# Altium PCB NG2092.PcbDoc (part 4 of 5) (continued)
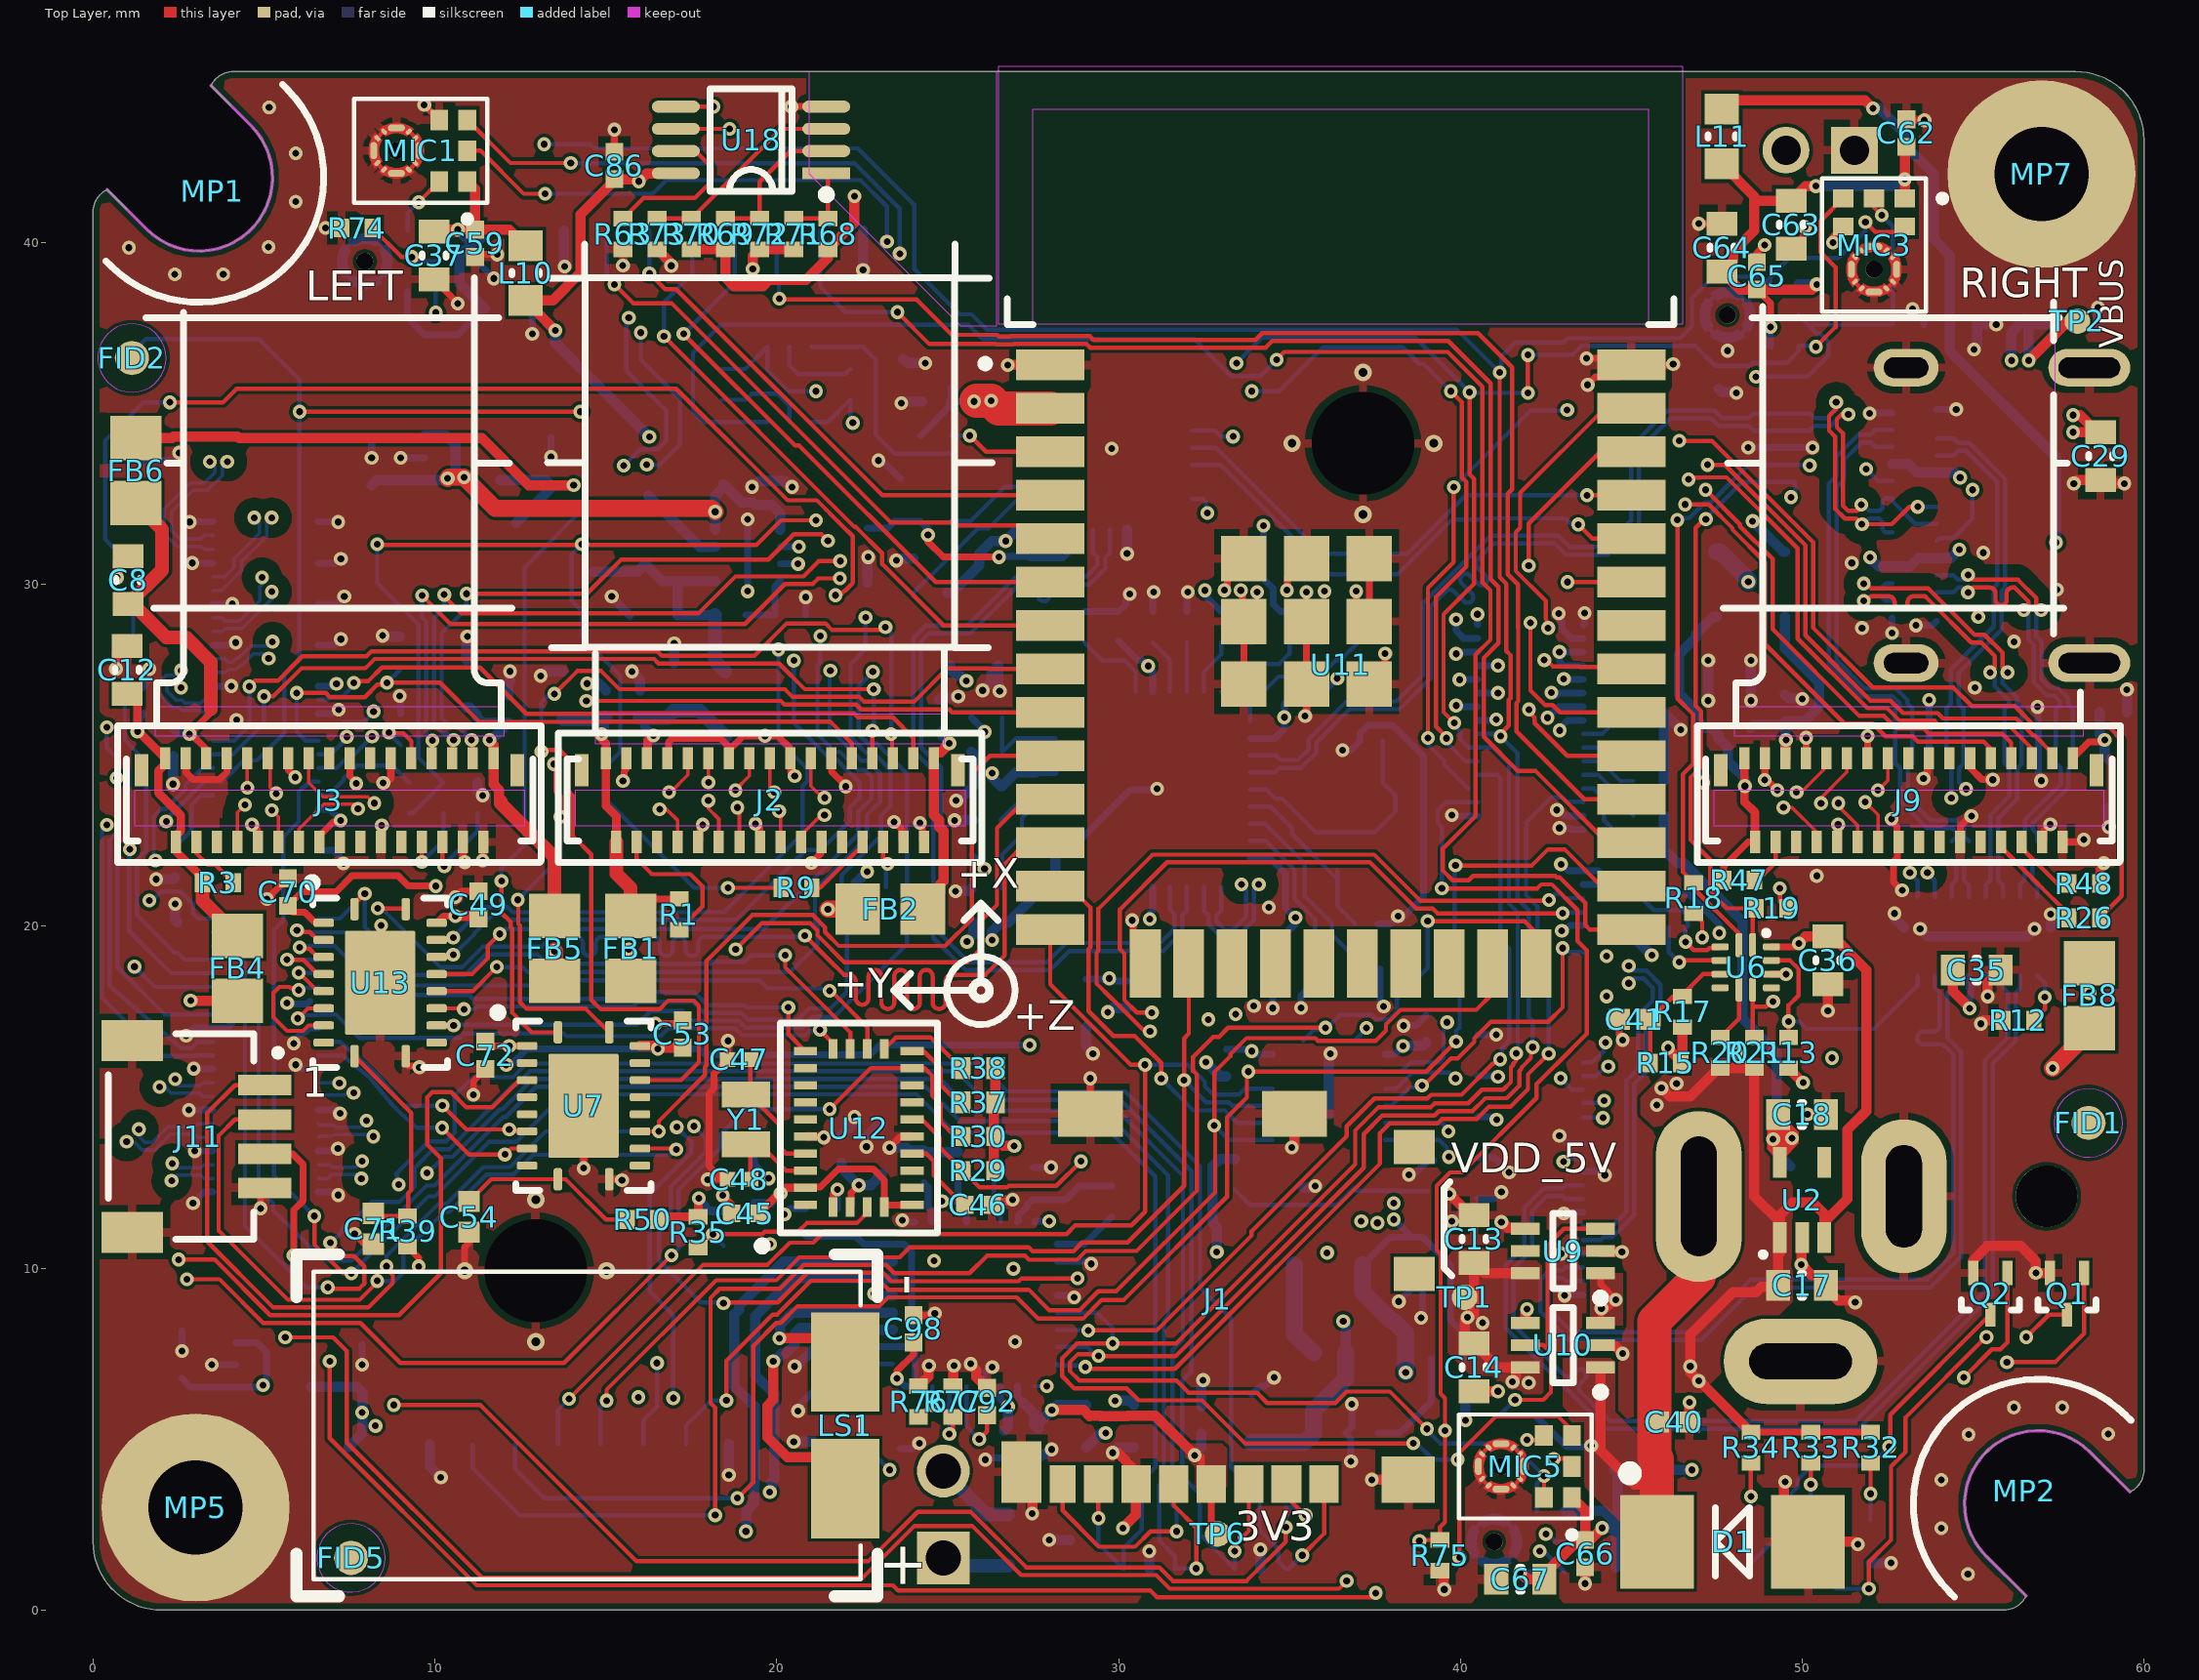
[diagram p0: Top Layer view]
## Nets (pads, with @x,y where several pads share a name; then routed paths per layer and width w, separated by ;. In a path a pad name is that pad's centre, name@x,y a point inside that pad or via, vN(x,y) a via of type N, cw(c..) or ccw(c..) an arc to the next point about the centre after c; other vN are vias at no path point) (continued)
  Inner Layer 2 w0.102: v1(3.42,33.591) 3.546,33.465 3.546,33.174 3.945,32.775 5.109,32.775 5.28,32.945 7.27,32.945 8.27,31.945 14.88,31.945 19.025,27.8 19.025,25.172 18.86,25.007 18.86,24.807 19.025,24.642 19.025,24.209 v1(18.792,23.976)
  Bottom Layer w0.102: v1(3.42,33.591) 3.565,33.446 3.565,33.275 3.256,32.966 2.836,32.966 2.084,32.214 2.084,31.486 2.453,31.117 3.158,31.117 3.25,31.025 J12.5@3.51,31.025
MIPI_RX4_D0_N: J2.26 J12.9 | length 28.1
  Top Layer w0.102: v1(16.575,23.425) 16.775,23.425 17.107,23.093 J2.26@17.107,22.466
  Inner Layer 2 w0.102: v1(4.72,31.95) 4.846,31.824 4.846,31.37 6.17,30.046 8.621,30.046 8.985,30.41 9.075,30.5 9.729,30.5 ccw(c9.729,30.905) 10.134,30.905 10.134,31.058 cw(c10.285,31.058) 10.436,31.058 10.436,30.765 ccw(c10.841,30.765) 11.245,30.765 11.245,31.058 cw(c11.396,31.058) 11.547,31.058 11.547,30.331 ccw(c11.952,30.331) 12.357,30.331 12.357,30.349 cw(c12.507,30.349) 12.507,30.5 12.685,30.5 13.066,30.5 13.083,30.483 13.6,29.965 cw(c13.495,29.858) 13.601,29.751 13.4,29.55 ccw(c13.687,29.264) 13.399,28.979 ccw(c13.687,29.264) 13.4,28.977 ccw(c13.687,29.264) 13.402,28.976 ccw(c13.687,29.264) 13.973,28.978 ; 13.974,28.978 14.173,29.178 cw(c14.281,29.072) 14.388,29.178 ; 14.388,29.177 14.841,28.725 14.925,28.725 15.375,28.725 17.475,26.625 17.475,25.225 17.129,24.879 16.395,24.879 16.17,24.655 16.096,24.58 16.096,24.195 16.407,23.884 16.407,23.593 v1(16.575,23.425)
  Bottom Layer w0.102: J12.9@3.51,30.225 3.857,30.225 4.125,30.493 4.125,30.75 4.865,31.49 4.865,31.805 v1(4.72,31.95)
MIPI_RX4_D0_P: J2.25 J12.11 | length 28.2
  Top Layer w0.102: v1(16.85,23.925) 16.9,23.925 17.4,24.425 J2.25@17.4,24.916
  Inner Layer 2 w0.102: v1(5.226,31.95) 5.1,31.824 5.1,31.475 5.195,31.38 5.294,31.38 5.521,31.153 5.521,31.054 6.275,30.3 8.516,30.3 8.97,30.754 8.985,30.754 9.729,30.754 ccw(c9.729,30.905) 9.88,30.905 9.88,31.058 cw(c10.285,31.058) 10.69,31.058 10.69,30.765 ccw(c10.841,30.765) 10.991,30.765 10.991,31.058 cw(c11.396,31.058) 11.801,31.058 11.801,30.331 ccw(c11.952,30.331) 12.103,30.331 12.103,30.349 cw(c12.507,30.349) 12.507,30.754 12.685,30.754 13.171,30.754 13.263,30.663 13.781,30.144 ; 13.781,30.144 13.818,30.107 13.818,30.101 cw(c13.495,29.858) 13.781,29.571 13.581,29.371 ccw(c13.687,29.264) 13.58,29.157 ccw(c13.687,29.264) 13.794,29.158 13.994,29.358 cw(c14.281,29.072) 14.524,29.395 14.53,29.395 14.566,29.359 ; 14.567,29.358 14.946,28.979 15.179,28.979 15.48,28.979 17.655,26.805 17.729,26.73 17.729,25.12 17.655,25.045 17.234,24.625 16.5,24.625 16.35,24.475 16.35,24.3 16.725,23.925 v1(16.85,23.925)
  Bottom Layer w0.102: J12.11@3.51,29.825 3.763,29.825 4.011,30.073 ; 4.01,30.073 4.341,30.404 4.341,30.661 5.081,31.401 5.081,31.805 v1(5.226,31.95)
MIPI_RX4_D1_N: J2.22 J12.15 | length 28.1
  Top Layer w0.102: v1(18,23.675) 18,23.444 18.307,23.137 J2.22@18.307,22.466
  Inner Layer 2 w0.102: 4.792,29.017 4.496,28.721 3.871,28.721 3.521,28.371 2.695,28.371 2.271,28.795 2.271,29.605 2.745,30.079 3.32,30.079 3.695,30.454 4.33,30.454 4.605,30.179 4.92,30.179 v1(4.943,30.202) ; 4.802,29.017 5.651,29.017 5.88,29.245 6.416,29.245 6.693,28.968 6.768,28.894 7.907,28.894 8.088,29.075 8.717,29.075 9.006,28.786 9.364,28.786 10.301,27.849 10.434,27.849 11.461,26.822 12.218,26.822 13.132,25.908 13.217,25.908 14.246,24.879 14.246,23.77 15.48,22.536 16.943,22.536 17.464,23.057 17.464,23.282 17.857,23.675 v1(18,23.675)
  Bottom Layer w0.102: J12.15@3.51,29.025 3.77,29.025 3.87,28.925 4.275,28.925 4.878,29.528 4.878,29.933 4.943,29.998 v1(4.943,30.202)
MIPI_RX4_D1_P: J2.23 J12.17 | length 28.2
  Top Layer w0.102: J2.23@18,24.916 18,24.216 v1(18.004,24.212)
  Inner Layer 2 w0.102: v1(5.232,29.786) 5.169,29.848 4.796,29.848 4.72,29.925 4.5,29.925 4.225,30.2 3.8,30.2 3.425,29.825 2.85,29.825 2.525,29.5 2.525,28.9 2.8,28.625 3.416,28.625 3.766,28.975 4.391,28.975 4.687,29.271 5.546,29.271 5.7,29.425 5.774,29.499 6.522,29.499 6.596,29.425 6.873,29.148 7.802,29.148 7.983,29.329 8.822,29.329 9.111,29.04 9.469,29.04 10.406,28.103 10.539,28.103 11.566,27.076 12.323,27.076 13.237,26.162 13.322,26.162 13.655,25.83 14.5,24.984 14.5,23.875 14.663,23.713 14.909,23.466 ccw(c15.016,23.572) 15.123,23.466 15.361,23.704 cw(c15.468,23.597) 15.574,23.704 cw(c15.468,23.597) 15.574,23.491 15.336,23.252 ccw(c15.442,23.146) 15.336,23.039 15.585,22.79 16.838,22.79 17.21,23.162 17.21,23.387 18.004,24.181 v1(18.004,24.212) 18.047,24.169 18.047,24.156 v1@18.004,24.156
  Bottom Layer w0.102: J12.17@3.51,28.625 3.786,28.625 3.87,28.709 4.364,28.709 5.232,29.576 v1(5.232,29.786)
MIPI_RX5_D0_N: J2.16 J12.21 | length 28.1
  Top Layer w0.102: v1(20.068,23.363) 20.107,23.324 J2.16@20.107,22.466
  Inner Layer 2 w0.102: v1(5.25,28.325) 5.554,28.021 5.764,28.021 5.956,27.829 6.007,27.829 ccw(c6.007,27.98) 6.158,27.98 ; 6.158,27.98 cw(c6.309,27.98) 6.46,27.98 ; 6.46,27.98 ccw(c6.61,27.98) 6.61,27.829 6.838,27.829 6.995,27.829 7.187,28.021 8.961,28.021 10.643,26.339 12.018,26.339 12.484,25.873 12.484,23.366 13.325,22.525 13.58,22.27 ccw(c13.739,22.579) 13.937,22.293 cw(c14.336,22.228) 14.741,22.228 14.741,21.377 ccw(c14.892,21.377) 15.043,21.377 15.043,21.649 cw(c15.447,21.649) 15.852,21.649 15.852,21.377 ccw(c16.003,21.377) 16.154,21.377 16.154,21.649 cw(c16.559,21.649) 16.963,21.649 16.963,21.41 ccw(c17.114,21.41) 17.265,21.41 17.265,21.609 cw(c17.67,21.609) 17.67,22.014 18.786,22.014 19.013,22.014 19.042,22.043 ccw(c18.935,22.15) 19.042,22.256 18.825,22.473 cw(c18.932,22.58) 18.825,22.687 cw(c18.932,22.58) 19.038,22.687 19.255,22.47 ccw(c19.362,22.576) 19.469,22.47 19.675,22.675 20.073,23.074 20.073,23.358 v1(20.068,23.363)
  Bottom Layer w0.102: J12.21@3.51,27.825 3.855,27.825 3.947,27.733 4.085,27.733 4.198,27.846 4.257,27.846 4.611,28.2 5.125,28.2 v1(5.25,28.325)
MIPI_RX5_D0_P: J2.17 J12.23 | length 28.1
  Top Layer w0.102: J2.17@19.8,24.916 19.8,24.052 v1(19.928,23.924)
  Inner Layer 2 w0.102: v1(5.138,27.831) 5.385,27.831 5.449,27.767 5.659,27.767 5.851,27.575 7.1,27.575 7.292,27.767 8.856,27.767 9.511,27.112 10.538,26.085 11.913,26.085 12.23,25.768 12.23,23.26 13.325,22.166 13.412,22.079 ccw(c13.503,22.168) 13.438,22.058 ccw(c13.739,22.579) 14.145,22.135 ccw(c14.058,22.228) 14.185,22.229 cw(c14.336,22.228) 14.487,22.228 14.487,21.377 ccw(c14.892,21.377) 15.297,21.377 15.297,21.649 cw(c15.447,21.649) 15.598,21.649 15.598,21.377 ccw(c16.003,21.377) 16.408,21.377 16.408,21.649 cw(c16.559,21.649) 16.709,21.649 16.709,21.41 ccw(c17.114,21.41) 17.519,21.41 17.519,21.609 cw(c17.67,21.609) 17.67,21.76 18.786,21.76 19.118,21.76 20.422,23.064 20.422,23.51 20.008,23.924 v1(19.928,23.924)
  Bottom Layer w0.102: J12.23@3.51,27.425 3.875,27.425 3.967,27.517 4.175,27.517 4.288,27.63 4.346,27.63 4.691,27.975 4.994,27.975 v1(5.138,27.831)
MIPI_RX5_D1_N: J2.14 J12.27 | length 28.1
  Top Layer w0.102: J2.14@20.707,22.466 20.707,22.657 21.303,23.253 v1(21.398,23.253)
  Inner Layer 2 w0.102: v1(2.576,26.975) 2.658,26.975 2.784,27.101 2.95,27.101 3.257,26.794 3.257,26.083 4.135,25.206 4.4,25.206 4.802,25.206 cw(c4.802,25.03) 4.978,25.03 4.978,24.695 ccw(c5.154,24.695) 5.154,24.519 ccw(c5.154,24.695) 5.33,24.695 5.33,25.03 cw(c5.506,25.03) 5.506,25.206 6.4,25.206 6.506,25.206 7.14,24.571 8.904,24.571 10.976,22.499 11.674,22.499 13.937,20.236 18.943,20.236 20.634,21.926 20.634,22.234 21.159,22.759 21.159,23.013 v1(21.398,23.253)
  Bottom Layer w0.102: v1(2.576,26.975) 2.509,26.975 2.364,27.12 2.22,27.12 2.161,27.061 2.161,26.887 2.428,26.619 2.598,26.619 2.685,26.533 3.158,26.533 3.25,26.625 J12.27@3.51,26.625
MIPI_RX5_D1_P: J2.13 J12.29 | length 28.2
  Top Layer w0.102: J2.13@21,24.916 21,24.1 21.341,23.759 v1(21.401,23.759)
  Inner Layer 2 w0.102: v1(2.576,27.481) 2.658,27.481 2.784,27.355 3.055,27.355 3.511,26.899 3.511,26.189 4.24,25.46 6.611,25.46 7.246,24.825 9.009,24.825 11.081,22.753 11.779,22.753 14.042,20.49 18.838,20.49 20.38,22.032 20.38,22.339 20.905,22.864 20.905,23.119 21.044,23.258 21.044,23.399 21.401,23.756 v1(21.401,23.759)
  Bottom Layer w0.102: v1(2.576,27.481) 2.509,27.481 2.364,27.336 2.131,27.336 1.945,27.15 1.945,26.798 2.339,26.404 2.509,26.404 2.595,26.317 3.158,26.317 3.25,26.225 J12.29@3.51,26.225
MX_INT_1V8: J12.59 U7.4 | length 32.1
  Top Layer w0.125: v1(2.5,10.25) 3.557,10.25 5.182,8.625 8.95,8.625 10.175,9.85 10.175,13.215 9.775,13.615 9.775,15 9.925,15.15 10.475,15.15 10.916,14.709 11.684,14.709 12.475,15.5 U7.4@12.7,15.5
  Inner Layer 1 w0.125: v1(1.647,20.75) 0.8,19.903 0.8,14.75 0.325,14.275 0.325,12.425 v1(2.5,10.25)
  Bottom Layer w0.125: v1(1.647,20.75) 1.723,20.75 1.992,21.019 2.551,21.019 2.925,20.645 2.925,20.375 3.075,20.225 J12.59@3.51,20.225
MX_INT_3V3: U7.17 U11.8 | length 32.8
  Top Layer w0.125: v1(13.119,25.108) 13.167,25.156 13.656,25.156 13.9,24.911 13.9,23.962 14.041,23.822 14.041,22.634 14.575,22.1 14.575,17.85 14.853,17.572 16.572,17.572 16.825,17.825 17.575,17.825 17.723,17.677 17.723,16.023 17.2,15.5 U7.17@16,15.5 ; v1(13.5,26.797) 14.169,27.466 14.867,27.466 15.399,26.934 20.238,26.934 20.463,26.709 22.416,26.709 22.56,26.566 24.016,26.566 24.991,27.541 26.224,27.541 26.237,27.527 U11.8@28,27.527
  Bottom Layer w0.125: v1(13.119,25.108) 13.119,26.559 13.304,26.743 13.446,26.743 v1(13.5,26.797)
MX_RST_1V8: J12.39 Q2.1 SW1.2 U7.1 | length 125.5
  Top Layer w0.125: v1(6.041,35.05) v1(14.25,35.05) ; v1(6.925,7.275) 6.925,5.025 11.225,0.725 23.4,0.725 23.55,0.575 30.925,0.575 31.125,0.375 37.4,0.375 v1(37.525,0.5) ; v1(11.95,21.325) 11.95,20.392 12.216,20.126 12.216,19.976 12.266,19.926 12.266,17.469 12.835,16.9 U7.1@13.6,16.9 ; v1(54.725,6.8) 55.55,7.625 55.8,7.625 56,7.825 Q2.1@56,9.86
  Inner Layer 1 w0.125: v1(2.143,23.066) 2.143,22.407 5.075,19.475 5.075,13.025 5.687,12.412 5.687,11.54 6.324,10.903 6.324,7.876 v1(6.925,7.275)
  Inner Layer 2 w0.125: v1(37.525,0.5) 37.995,0.97 40.126,0.97 40.37,0.725 42.75,0.725 43.275,1.25 45.15,1.25 45.375,1.475 49.272,1.475 51.904,4.108 51.904,4.654 54.05,6.8 v1(54.725,6.8)
  Bottom Layer w0.125: SW1.2@1.4,37.025 1.55,37.175 4.85,37.175 6.041,35.984 v1(6.041,35.05) 6.041,27.819 5.592,27.37 5.592,25.648 4.793,24.85 4.401,24.85 4.022,24.472 4.022,24.468 3.927,24.372 3.923,24.372 3.776,24.225 J12.39@3.51,24.225 3.24,24.225 2.143,23.127 v1(2.143,23.066) ; v1(11.95,21.325) 11.95,21.7 12.625,22.375 12.625,30.5 14.425,32.3 14.425,34.875 v1(14.25,35.05)
MX_RST_3V3: U7.20 U11.9 | length 26.5
  Top Layer w0.125: v1(12.425,20.775) 12.441,20.759 12.441,20.07 12.491,20.02 12.491,17.779 12.683,17.587 14.413,17.587 U7.20@15.1,16.9 ; v1(13.485,24.742) 13.534,24.693 13.534,23.945 13.675,23.804 v1(13.675,23.2) ; v1(14.433,26.594) 20.12,26.594 20.23,26.484 22.323,26.484 22.467,26.341 25.05,26.341 25.133,26.257 U11.9@28,26.257
  Inner Layer 1 w0.125: v1(13.485,24.742) 13.485,24.956 ; 13.485,24.956 13.485,25.646 v1(14.433,26.594)
  Bottom Layer w0.125: v1(12.425,20.775) 13.675,22.025 v1(13.675,23.2)
NetC40_2: C40.2 D1.1 J7.1 R78.2 U10.1 | length 17.2
  Top Layer w0.3: U10.1@44.1,7.1 44.1,4.675 45.1,3.675 45.75,3.675
  Top Layer w1: D1.1@45.75,2 45.75,3.675 45.75,4.4 45.675,4.475 45.675,8.45 46.975,9.75 J7.1@46.975,12.1
  Bottom Layer w0.2: R78.2@42.2,5.675 43.1,4.775 43.8,4.775 43.8,4.779 v1(43.828,4.807)
NetC52_2: C52.2 R40.1 U14.10 | length 6.1
  Bottom Layer w0.125: R40.1@33.4,12.3 33.85,11.85 36.4,11.85 U14.10@36.9,12.35 36.9,12.328 36.962,12.266 38.201,12.266 38.217,12.25 C52.2@39.05,12.25
NetC54_2: C54.2 R50.2 U7.10 | length 5.4
  Top Layer w0.125: C54.2@11,11.95 11.65,12.6 U7.10@13.6,12.6 13.825,12.6 15,11.425 R50.2@15.625,11.425
NetC71_2: C71.2 R39.1 U13.10 | length 6.4
  Top Layer w0.125: U13.10@7.65,16.2 9.312,14.538 9.312,12.285 9.225,12.199 9.225,11.55 R39.1@9.2,11.525 8.275,11.525 C71.2@8.2,11.6
NetC74_1: C74.1 U16.33 X1.3 | length 6.9
  Bottom Layer w0.125: U16.33@33.85,23.5 34.45,23.5 35.075,22.875 35.075,22.7 X1.3@36.395,21.38 ; X1.3@36.395,21.631 X1.3@36.395,21.38 ; X1.3@36.4,21.625 36.4,20.6 C74.1@36.8,20.2 ; C74.1@36.92,20.075 36.395,20.6 X1.3@36.395,21.38
NetC75_1: C75.1 U16.32 X1.1 | length 7.2
  Bottom Layer w0.125: U16.32@33.85,24 34.325,24 34.6,23.725 34.793,23.725 35.768,22.75 37.5,22.75 38.1,23.35 X1.1@38.1,23.831 ; C75.1@37.73,25.425 37.73,24.196 X1.1@38.095,23.831
NetC76_2: C76.2 R64.1 U16.26 | length 2.7
  Bottom Layer w0.125: U16.26@32.5,26.85 32.5,27.45 33,27.95 R64.1@33,28.3 33.95,28.3 C76.2@34,28.35
NetC77_2: C77.2 U16.34 | length 5.8
  Bottom Layer w0.125: U16.34@33.85,23 34.275,23 34.487,22.788 34.499,22.788 35.45,21.837 35.45,20.875 36.137,20.188 36.142,20.188 36.238,20.092 36.238,19.763 36.85,19.15 C77.2@36.85,18.75
NetC78_2: C78.2 U16.14 | length 2
  Bottom Layer w0.125: C78.2@26.55,23.1 27.2,23.75 27.2,23.775 27.425,24 U16.14@28.15,24
NetC89_1: C89.1 U17.1 | length 1.9
  Bottom Layer w0.2: U17.1@28.2,10.7 29,10.7 C89.1@29.8,11.5
NetC89_2: C89.2 U17.31 | length 3.3
  Bottom Layer w0.2: U17.31@27.05,11.35 27.075,11.375 27.075,11.55 27.329,11.804 27.329,11.859 27.47,12 28.45,12 28.85,12.4 C89.2@29.8,12.4
NetC91_2: C91.2 C92.2 U17.13 | length 7.5
  Top Layer w0.125: v1(25.925,5) 26.15,5.225 C92.2@26.15,5.7
  Inner Layer 2 w0.125: v1(23.303,4.1) 23.303,4.728 24.15,5.575 25.35,5.575 v1(25.925,5)
  Bottom Layer w0.125: C91.2@22.475,4.925 23.3,4.1 v1(23.303,4.1) ; U17.13@25.55,6.55 25.55,5.375 v1(25.925,5)
NetC93_2: C93.2 U17.17 | length 1.9
  Bottom Layer w0.125: C93.2@21.75,6.45 C93.2@21.862,6.563 ; C93.2@22,6.425 22.775,7.2 U17.17@23.4,7.2
NetC103_2: C103.2 U17.30 | length 1.8
  Bottom Layer w0.125: U17.30@26.55,11.35 26.55,11.75 26.35,11.95 26.35,12.7 C103.2@26.6,12.95
NetD2_2: D2.2 R32.1 | length 1.7
  Top Layer w0.125: v1(52,3.4) R32.1@52,4.3
  Bottom Layer w0.125: D2.2@52,2.625 v1(52,3.4)
NetD3_1: D3.1 Q1.3 | length 13.4
  Top Layer w0.125: v1(51.95,0.625) 51.95,1.4 52.6,2.05 52.6,4.2 53.025,4.625 53.025,5.635 55.372,7.982 v1(55.39,7.982) ; v1(56.557,7.982) 57.215,8.64 Q1.3@57.75,8.64
  Inner Layer 2 w0.125: v1(55.39,7.982) v1(56.557,7.982)
  Bottom Layer w0.125: D3.1@50.25,1.375 51,0.625 v1(51.95,0.625)
NetD3_2: D3.2 R33.1 | length 1.7
  Top Layer w0.125: v1(50.25,3.675) R33.1@50.25,4.3
  Bottom Layer w0.125: D3.2@50.25,2.625 v1(50.25,3.675)
NetD4_1: D4.1 Q2.3 | length 11.2
  Top Layer w0.125: v1(52.546,4.779) 52.575,4.808 52.575,5.715 Q2.3@55.5,8.64
  Bottom Layer w0.125: D4.1@48.5,1.375 49.687,2.562 49.687,3.42 49.866,3.599 49.866,3.808 50.283,4.225 51.992,4.225 v1(52.546,4.779)
NetD4_2: D4.2 R34.1 | length 1.7
  Top Layer w0.125: v1(48.5,3.325) R34.1@48.5,4.3
  Bottom Layer w0.125: D4.2@48.5,2.625 v1(48.5,3.325)
NetJ2_6: J2.6 R25.1 | length 1.4
  Top Layer w0.127: J2.6@23.107,22.466 23.107,21.968 v1(23.25,21.825)
  Bottom Layer w0.125: R25.1@23.2,21.15 23.2,21.775 v1(23.25,21.825)
NetJ2_30: J2.30 R1.2 | length 4.3
  Top Layer w0.125: J2.30@15.907,22.466 15.907,21.968 16.35,21.525 17.475,21.525 17.825,21.175 17.825,20.575 R1.2@17.15,19.9
NetJ3_6: J3.6 R28.1 | length 2.7
  Top Layer w0.125: J3.6@10.22,22.466 10.22,21.805 v1(10.275,21.75)
  Bottom Layer w0.125: v1(10.275,21.75) 10.275,21.81 11.25,22.785 R28.1@11.25,23.3
NetJ3_30: J3.30 R3.2 | length 1.8
  Top Layer w0.125: J3.30@3.02,22.466 3.02,22.135 3.355,21.8 3.575,21.8 R3.2@4.1,21.275
NetJ9_6: J9.6 R48.1 | length 2
  Top Layer w0.125: J9.6@56.42,22.466 56.42,22.291 57.46,21.25 R48.1@57.8,21.25
NetJ9_30: J9.30 R47.2 | length 1.4
  Top Layer w0.127: R47.2@48.65,21.3 49.22,21.87 J9.30@49.22,22.466
NetJ13_18: J13.18 R61.2 | length 1.7
  Bottom Layer w0.125: J13.18@43.59,25.625 44.15,25.625 44.775,26.25 R61.2@45.05,26.25
NetJ13_20: J13.20 R60.2 | length 1.5
  Bottom Layer w0.125: J13.20@43.59,25.225 45.025,25.225 R60.2@45.05,25.25
NetJ13_22: J13.22 R31.2 | length 1.7
  Bottom Layer w0.125: J13.22@43.59,24.825 44.1,24.825 44.675,24.25 R31.2@45.05,24.25
NetJ13_24: J13.24 R23.1 | length 2
  Bottom Layer w0.125: J13.24@43.59,24.425 44.046,24.425 44.551,23.92 44.551,23.749 R23.1@45.05,23.25
NetJ13_26: J13.26 R22.1 | length 2.6
  Bottom Layer w0.125: J13.26@43.59,24.025 43.907,24.025 44.2,23.732 44.2,23.1 R22.1@45.05,22.25
NetL1_1: L1.1 U4.7 | length 2.6
  Bottom Layer w0.3: L1.1@16.25,32.6 17.75,31.1 U4.7@18.2,31.1
NetL2_1: L2.1 U1.4 | length 2.8
  Bottom Layer w0.5: L2.1@35.15,10.1 35.15,8.075 U1.4@35.7,7.525
NetQ4_2: Q4.2 R46.1 | length 2.5
  Bottom Layer w0.125: Q4.2@20.375,36.95 20.375,36.4 20.625,36.15 22,36.15 R46.1@22.15,36.3
NetQ4_5: Q4.5 R43.2 | length 2.7
  Bottom Layer w0.125: R43.2@18.4,35.4 19.1,35.4 19.275,35.575 20.025,35.575 20.375,35.225 Q4.5@20.375,34.75
NetR4_2: R4.2 R9.2 R24.1 R26.1 | length 87.2
  Top Layer w0.125: v1(8.313,31.177) 8.34,31.15 19.4,31.15 20.125,31.875 v1(21.15,31.875) ; v1(18.575,21.125) R9.2@20.125,21.125
  Top Layer w0.127: v1(46.405,34.2) 47.355,34.2 50.317,31.238 50.317,28.733 52.063,26.986 54.414,26.986 54.96,26.44 56.216,26.44 56.839,25.817 58.999,25.817 59.183,25.632 59.183,25.598 59.342,25.44 59.342,20.892 R26.1@58.7,20.25
  Inner Layer 2 w0.125: v1(21.15,31.875) 21.287,32.013 31.1,32.013 31.391,31.722 32.839,31.722 33.204,32.086 35.819,32.086 36.272,31.633 39.158,31.633 41.725,34.2 v1(46.405,34.2)
  Bottom Layer w0.125: v1(8.313,31.177) 8.313,30.037 9.525,28.825 9.525,25.1 ; v1(14.3,31.175) 14,30.875 14,29.521 14.3,29.221 14.3,28.45 15.423,27.327 15.423,27.077 15.425,27.075 15.425,25.1 15.05,24.725 15.05,23.662 17.587,21.125 v1(18.575,21.125)
  Bottom Layer w0.127: R4.2@9.25,23.3 9.35,23.3 R24.1@10.25,24.2 9.525,24.925 9.525,25.1
NetR7_1: R7.1 R8.2 U4.4 | length 1.9
  Bottom Layer w0.2: R7.1@19.1,29.1 R8.2@19.95,29.1 19.95,29.95 U4.4@20.1,30.1
NetR12_1: R12.1 U5.2 | length 1.5
  Top Layer w0.125: R12.1@56.775,17.25 57.1,17.575 v1(57.1,17.925)
  Bottom Layer w0.125: U5.2@56.877,18.558 57.1,18.335 v1(57.1,17.925)
NetR13_1: R13.1 U5.9 U6.11 | length 7.7
  Top Layer w0.125: R13.1@49.6,16.75 v1(49.6,17.218)
  Top Layer w0.127: U6.11@49.1,19 49.644,19 49.892,18.752 49.892,17.978 49.6,17.686 v1(49.6,17.218)
  Bottom Layer w0.125: v1(49.6,17.218) 49.907,17.218 50.125,17 52.1,17 53.283,18.183
  Bottom Layer w0.127: 53.283,18.183 53.377,18.277 U5.9@53.377,18.558
NetR18_1: R18.1 R20.1 U6.7 | length 6.9
  Top Layer w0.127: R18.1@46.825,20.375 47.075,20.125 v1(47.075,19.675) ; v1(48.078,16.301) 48.078,16.322 47.65,16.75 R20.1@47.6,16.75 48.15,17.3 U6.7@48.15,18.15
  Inner Layer 1 w0.127: v1(47.075,19.675) 47.2,19.55 47.2,17.178 v1(48.078,16.301)
NetR19_1: R19.1 R21.1 U6.8 | length 6.1
  Top Layer w0.127: U6.8@48.55,18.15 48.55,17.65 ; R21.1@48.6,16.75 48.55,16.8 48.55,17.65 ; v1(49.15,17.797) 49.083,17.797 48.936,17.65 48.55,17.65 ; v1(49.343,21.107) 49.35,21.1 49.35,20.725 R19.1@49.55,20.525
  Inner Layer 1 w0.127: v1(49.15,17.797) 49.15,19.45 49.35,19.65 49.35,21.1 v1(49.343,21.107)
NetR42_1: R42.1 R44.2 U15.8 | length 4.5
  Bottom Layer w0.125: R42.1@24,29.75 R44.2@25,30.75 25.882,31.632 26.19,31.632 27.058,32.5 U15.8@27.35,32.5
NetR45_2: R45.2 U15.9 | length 2.8
  Bottom Layer w0.125: R45.2@25.1,31.85 25.675,31.85 26.675,32.85 U15.9@27.5,32.85
NetR51_1: R51.1 R56.2 U16.27 | length 3.8
  Bottom Layer w0.125: U16.27@33,26.85 33.825,27.675 34.7,27.675 35,27.975 R51.1@35,28.3 R56.2@36,28.3
NetR52_2: R52.2 R53.2 U16.13 | length 3.4
  Bottom Layer w0.125: R53.2@26.6,21.1 R52.2@26.6,22.1 27.175,22.675 27.175,23.175 27.5,23.5 U16.13@28.15,23.5
NetR54_2: R54.2 R55.2 U16.17 | length 2.7
  Bottom Layer w0.125: R54.2@26.6,26.1 R55.2@26.6,25.1 27,25.5 U16.17@28.15,25.5
NetR57_2: R57.2 U16.24 | length 1.7
  Bottom Layer w0.125: R57.2@31,28.3 31.5,27.8 U16.24@31.5,26.85
NetR58_2: R58.2 U16.22 | length 2.5
  Bottom Layer w0.125: R58.2@29,28.3 29.525,27.775 30.175,27.775 30.5,27.45 U16.22@30.5,26.85
NetR59_2: R59.2 U16.25 | length 1.4
  Bottom Layer w0.125: U16.25@32,26.85 R59.2@32,28.3
NetR62_2: R62.2 U16.28 | length 4.4
  Bottom Layer w0.125: U16.28@33.85,26 33.85,26.475 34.682,27.307 35.887,27.307 36.361,27.781 36.481,27.781 R62.2@37,28.3
NetR63_2: R63.2 U18.7 | length 4.7
  Top Layer w0.125: R63.2@15.5,40.7 16.1,41.3 17.6,41.3 18.1,41.8 18.1,42.2 17.625,42.675 U18.7@17.05,42.675
NetR65_2: R65.2 U16.35 | length 3.8
  Bottom Layer w0.125: U16.35@33.85,22.5 34.3,22.5 35.15,21.65 35.15,20.8 35.75,20.2 R65.2@35.75,19.75
NetR66_2: R66.2 U17.26 | length 1.3
  Bottom Layer w0.2: R66.2@24.3,12.5 24.434,12.366 24.434,11.791 24.525,11.7 24.525,11.375 U17.26@24.55,11.35
NetR68_1: R68.1 R71.2 U18.1 | length 2.3
  Top Layer w0.125: R71.2@20.5,40.7 R68.1@21.5,40.7 21.5,41.975 U18.1@21.45,42.025
NetR69_1: R69.1 R72.2 U18.2 | length 4.4
  Top Layer w0.125: R69.1@18.5,40.7 R72.2@19.5,40.7 19.5,41.775 20.4,42.675 U18.2@21.45,42.675
NetR70_1: R70.1 R73.2 U18.3 | length 6
  Top Layer w0.125: R73.2@16.5,40.7 R70.1@17.5,40.7 20.125,43.325 U18.3@21.45,43.325
NetR76_2: R76.2 U17.15 | length 1.1
  Top Layer w0.125: R76.2@24.15,5.65 24.5,6 v1(24.549,6)
  Bottom Layer w0.125: v1(24.549,6) U17.15@24.55,6.55
NetR77_2: R77.2 U17.14 | length 1.9
  Top Layer w0.125: v1(25.05,5.15) 25.15,5.25 R77.2@25.15,5.65
  Bottom Layer w0.125: v1(25.05,5.15) U17.14@25.05,6.55
NetR78_1: R78.1 U9.3 U10.5 | length 8.6
  Top Layer w0.125: v1(41.6,6.15) 42.425,6.15 42.65,6.375 42.65,7.525 42.55,7.625 ; U10.5@41.9,7.75 42.425,7.75 42.55,7.625 ; U9.3@44.1,11.15 43.025,11.15 42.55,10.675 42.55,7.625
  Bottom Layer w0.125: R78.1@41.2,5.675 41.2,5.75 v1(41.6,6.15)
PWDNB_L: J3.28
PWDNB_R: J9.28
RLS+: D10.4 J4.1 U17.23 | length 20.1
  Inner Layer 1 w0.3: v1(19.1,2.3) 24.1,2.3 J4.1@24.875,1.525
  Bottom Layer w0.3: v1(19.1,2.3) 19.12,2.32 19.12,2.904 19.344,3.128 19.344,3.681 19.35,3.687 19.35,5.95 18.762,6.538 18.762,8.653 18.895,8.786 18.895,8.895 20.2,10.2 U17.23@23.4,10.2
  Bottom Layer w0.4: J4.1@24.875,1.525 25.1,1.3 D10.4@26.775,1.3
RLS-: D10.5 J4.2 U17.22 | length 18
  Inner Layer 1 w0.3: v1(19.797,3.45) 19.797,3.322 19.919,3.2 24.01,3.2 J4.2@24.875,4.065
  Bottom Layer w0.3: v1(19.797,3.45) 19.85,3.45 19.85,3.754 19.925,3.829 19.925,6.325 19.375,6.875 19.375,8.6 20.481,9.706 23.038,9.706 23.044,9.7 U17.22@23.4,9.7
  Bottom Layer w0.4: J4.2@24.875,4.065 26.14,2.8 D10.5@26.775,2.8
RTS: Q4.4 R46.2 U15.24 | length 14.7
  Inner Layer 2 w0.125: v1(22.225,34.725) 32.95,34.725 v1(33.35,34.325)
  Bottom Layer w0.125: Q4.4@21.025,34.75 21.5,34.75 R46.2@22.15,35.4 22.15,34.8 v1(22.225,34.725) ; U15.24@32.15,34.5 32.825,34.5 33,34.325 v1(33.35,34.325)
RXB_N: D7.2 D7.9 J10.B10 U5.13 | length 16.9
  Inner Layer 2 w0.1: v1(53.663,21.564) 53.493,21.733 53.493,22.125 53.493,22.224 53.918,22.649 cw(c54.042,22.525) 54.042,22.7 54.248,22.7 ccw(c54.248,22.875) 54.423,22.875 ccw(c54.248,22.875) 54.248,23.05 53.986,23.05 cw(c53.986,23.225) 53.811,23.225 53.811,23.7 53.811,23.728 54.027,23.944 54.225,23.944 54.362,23.807 v1(54.362,23.751)
  Bottom Layer w0.127: v1(53.663,21.564) 53.877,21.349 U5.13@53.877,20.858 ; J10.B10@53.93,33.77 54.43,33.77 54.566,33.906 54.794,33.906 55.708,32.992 55.708,29.994 55.608,29.894 55.608,28.772 54.35,27.515 54.35,26.511 54.215,26.375 D7.9@54.215,25.965 D7.2@54.215,25.185 54.215,24.774 54.362,24.626 v1(54.362,23.751)
RXB_P: D7.1 D7.10 J10.B11 U5.12 | length 16.9
  Inner Layer 2 w0.1: v1(53.149,21.569) 53.292,21.713 53.292,22.307 53.609,22.625 53.609,23.811 53.943,24.145 54.468,24.145 54.597,24.016 v1(54.794,24.016)
  Bottom Layer w0.127: v1(53.149,21.569) 53.296,21.422 53.296,21.412 53.377,21.331 U5.12@53.377,20.858 ; J10.B11@53.93,34.27 54.43,34.27 54.566,34.134 54.889,34.134 55.937,33.087 55.937,29.9 55.837,29.8 55.837,28.678 54.579,27.42 54.579,26.511 54.715,26.375 D7.10@54.715,25.965 D7.1@54.715,25.185 54.715,24.75 54.591,24.626 54.591,24.219 v1(54.794,24.016)
RXC_N: D8.4 D8.7 J10.A10 U5.17 | length 13.6
  Top Layer w0.127: v1(51.8,30.023) 51.875,30.023 52.014,29.884 53.684,29.884 55.042,28.526 55.336,28.526 55.868,27.995 55.868,27.564 v1(56.006,27.425)
  Bottom Layer w0.127: v1(51.8,30.023) 51.875,30.023 52.014,29.884 52.294,29.884 52.43,30.02 J10.A10@52.63,30.02 ; 55.843,21.235 55.729,21.349 55.729,23.159 56.291,23.721 56.291,24.626 56.415,24.75 D8.4@56.415,25.185 D8.7@56.415,25.965 56.415,26.385 56.279,26.521 56.279,26.695 55.868,27.106 55.868,27.286 v1(56.006,27.425) ; U5.17@55.877,20.858 55.877,21.201
RXC_P: D8.5 D8.6 J10.A11 U5.16 | length 13.7
  Top Layer w0.127: v1(51.8,29.517) 51.875,29.517 52.014,29.656 52.075,29.656 52.516,29.656 cw(c52.516,29.467) 52.704,29.467 ccw(c52.893,29.467) 52.893,29.279 ccw(c52.893,29.467) 53.081,29.467 cw(c53.27,29.467) 53.27,29.656 53.59,29.656 53.7,29.545 54.948,28.298 55.241,28.298 55.639,27.9 55.639,27.564 v1(55.5,27.425)
  Bottom Layer w0.127: v1(51.8,29.517) 51.875,29.517 52.014,29.656 52.294,29.656 52.43,29.52 J10.A11@52.63,29.52 ; U5.16@55.377,20.858 55.377,21.225 55.501,21.349 55.501,23.254 56.062,23.816 56.062,24.626 55.915,24.774 D8.5@55.915,25.185 D8.6@55.915,25.965 55.915,26.36 56.05,26.496 56.05,26.6 55.639,27.011 55.639,27.286 v1(55.5,27.425)
SD0_CLK_3V3: D9.1 J1.5 J12.61 | length 54.4
  Top Layer w0.125: J1.5@31.612,3.688 31.612,3.063 32.275,2.4 v1(32.275,1.216)
  Bottom Layer w0.125: J12.61@3.51,19.825 4.1,19.825 4.844,19.081 4.844,12.323 5.266,11.901 5.266,11.699 6.749,10.216 7.555,10.216 9.756,12.416 9.992,12.416 11.998,14.422 12.073,14.422 12.96,15.309 24.361,15.309 25.36,14.31 29.857,14.31 31.45,12.717 31.45,8.58 31.328,8.458 31.328,3.791 31.188,3.65 31.188,3.367 31.187,2.038 31.65,1.575 D9.1@31.65,1.2 31.666,1.216 v1(32.275,1.216)
SD0_CMD_3V3: D5.3 J1.3 J12.63 | length 58.8
  Top Layer w0.125: v1(6.867,9.441) 6.908,9.4 7.789,9.4 7.933,9.543 7.933,9.785 7.938,9.79 7.938,10.051 7.635,10.354 7.33,10.354 v1(6.939,10.745) ; v1(33.4,1.725) 33.4,1.9 33.812,2.313 J1.3@33.812,3.688
  Bottom Layer w0.125: J12.63@3.51,19.425 3.96,19.425 4.445,18.94 4.445,11.223 6.228,9.441 v1(6.867,9.441) ; v1(6.939,10.745) 6.963,10.745 7.284,11.067 7.284,11.151 7.499,11.366 7.583,11.366 8.15,11.933 8.954,11.933 9.406,12.384 9.406,12.933 9.957,13.484 10.424,13.484 12.291,15.351 12.365,15.351 12.774,15.759 25.254,15.759 26.092,14.922 30.049,14.922 32.136,12.835 32.136,6.986 31.865,6.715 31.865,3.91 32.375,3.4 32.375,2.225 D5.3@33.4,1.2 v1(33.4,1.725)
SD0_D0_3V3: D9.3 J1.7 J12.40 | length 57.5
  Top Layer w0.125: v1(6.475,11.525) 6.475,10.692 7.317,9.85 v1(7.56,9.85) ; v1(29.412,2.688) J1.7@29.412,3.688
  Bottom Layer w0.125: v1(6.475,11.525) 5.3,12.7 5.3,19.9 5.562,20.163 5.562,22.61 6.017,23.064 6.017,23.94 6.167,24.09 6.195,24.09 6.33,24.225 J12.40@6.59,24.225 ; v1(7.56,9.85) 9.813,12.103 9.997,12.103 11.585,13.691 12.383,13.691 13.776,15.084 24.091,15.084 25.215,13.96 29.795,13.96 31.078,12.677 31.078,4.178 30.675,3.775 30.675,2.35 30.15,1.825 D9.3@30.15,1.2 29.412,1.937 v1(29.412,2.688)
SD0_D1_3V3: D9.5 J1.8 J12.38 | length 55.2
  Top Layer w0.125: J1.8@28.362,3.688 28.362,2.912 29.425,1.85 30.483,1.85 30.933,2.3 v1(31.7,2.3)
  Inner Layer 1 w0.125: v1(8.165,25.552) 8.165,25.536 9.1,24.6 9.1,22.525 9.025,22.45 9.025,20.912 9.184,20.753 9.184,13.369 v1(9.771,12.782)
  Bottom Layer w0.125: J12.38@6.59,24.625 7.125,24.625 7.4,24.9 7.512,24.9 v1(8.165,25.552) ; v1(9.771,12.782) 9.785,12.782 10.262,13.259 10.517,13.259 11.905,14.647 11.98,14.647 12.867,15.534 24.772,15.534 25.696,14.61 29.979,14.61 31.886,12.704 31.886,7.911 31.578,7.603 31.578,3.072 31.7,2.95 v1(31.7,2.3)